# Altium PCB PCB_RFID-Project.PcbDoc
Units mm, origin at the board's own origin, x right, y up, seen from the top; angles counter-clockwise.
Board outline 142.75 x 90.04 mm, 2 copper layers (Top Layer, Bottom Layer); 10 components, 22 nets, 84 pads, 6 vias.
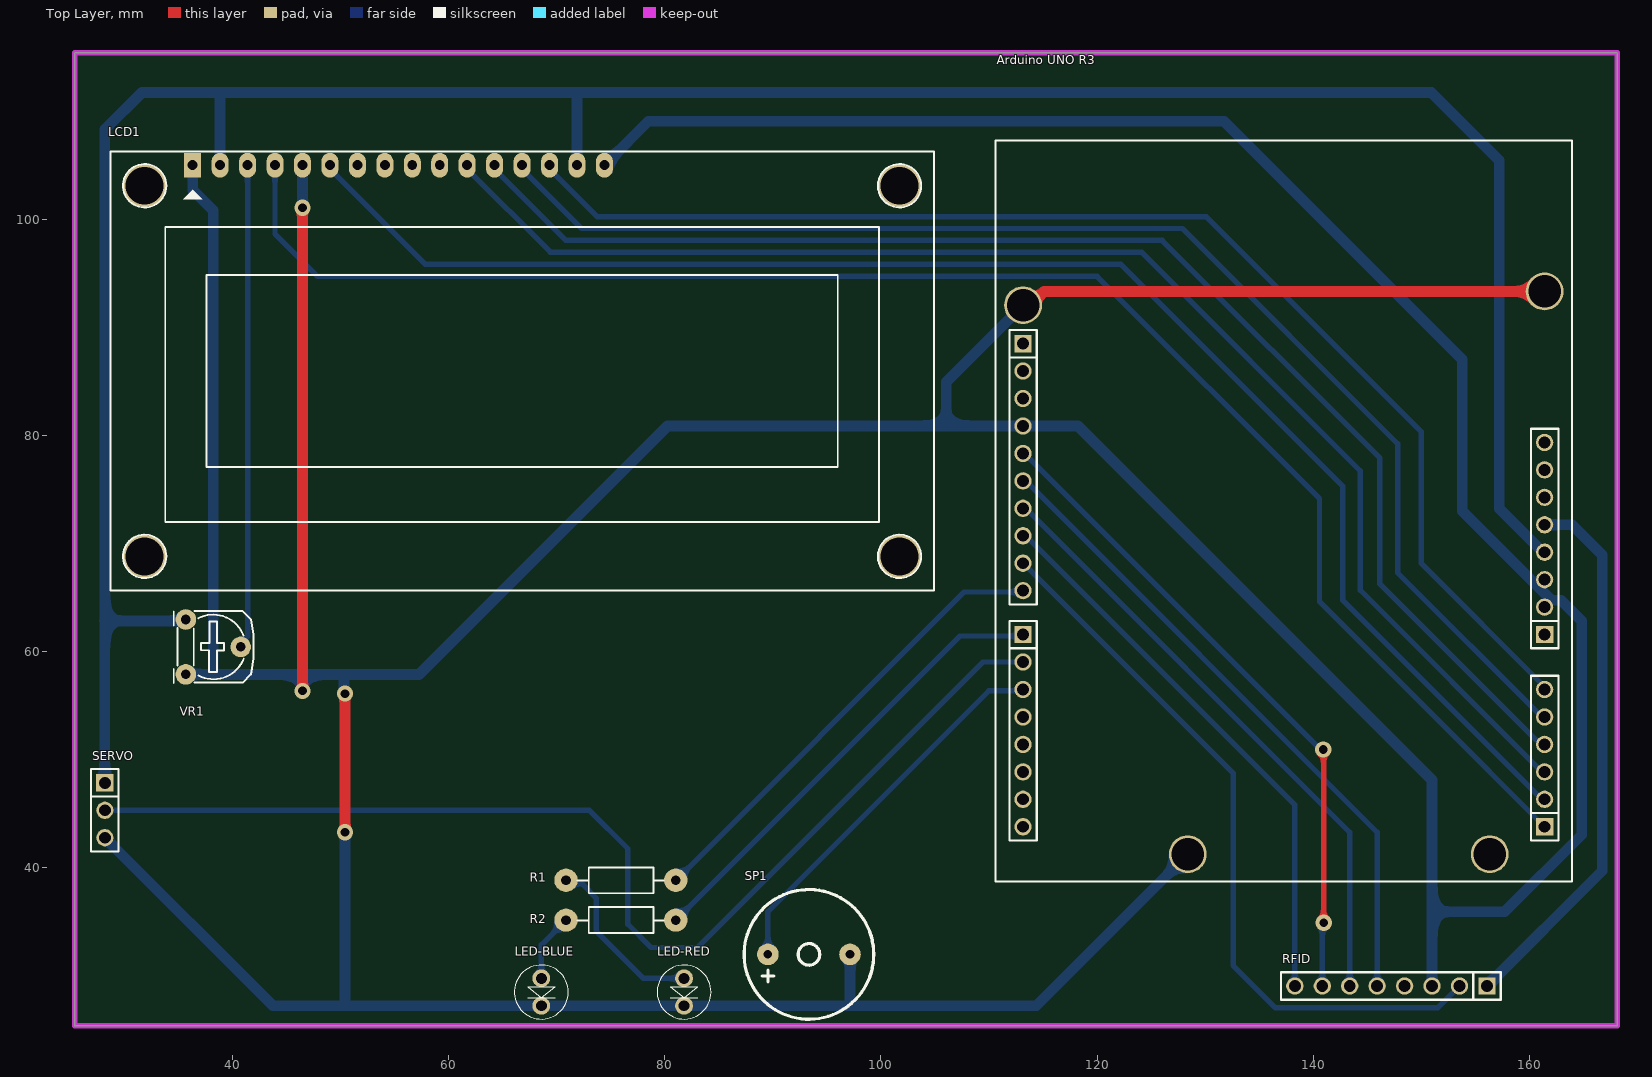
[diagram p0: Top Layer view]
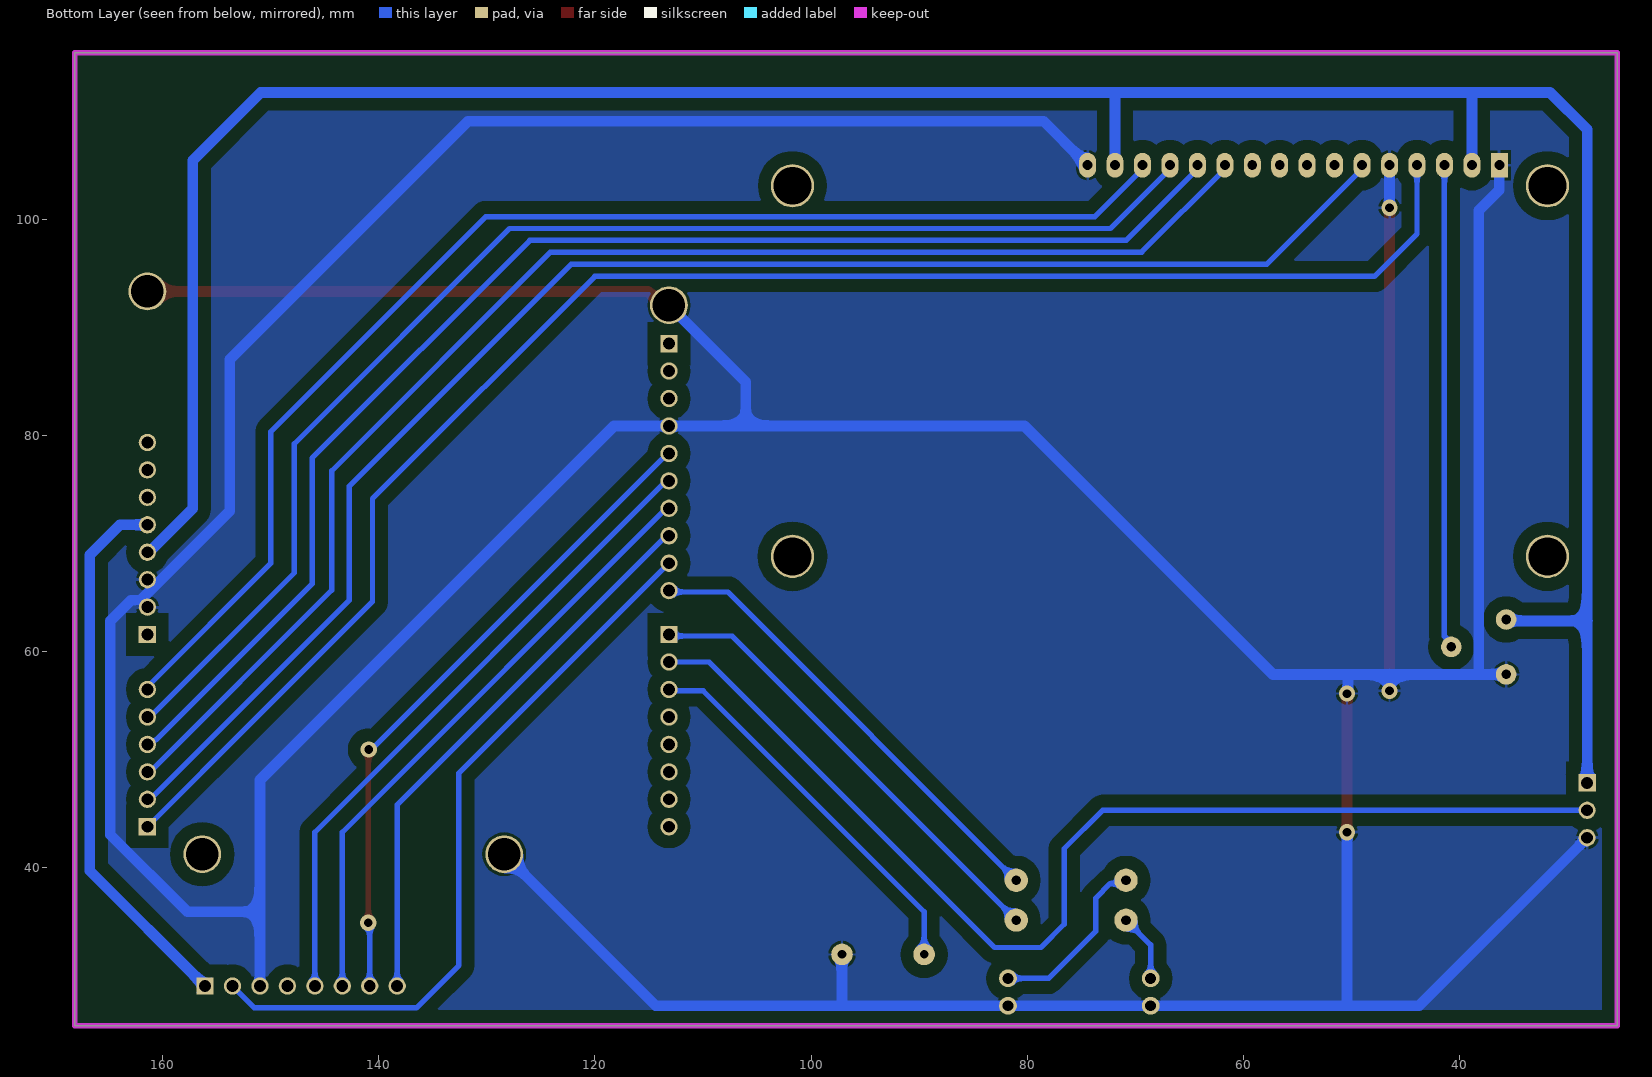
[diagram p1: Bottom Layer view, seen from below]

## Layer stack, top to bottom
Top Solder: solder mask 0.0102, Solder Resist, Dk 3.5
Top Layer: signal copper 0.0356
Dielectric 1: dielectric 0.32, FR-4, Dk 4.8
Bottom Layer: signal copper 0.0356
Bottom Solder: solder mask 0.0102, Solder Resist, Dk 3.5

## Board outline
25.4,25.4 168.148,25.4 168.148,115.443 25.4,115.443

## Design rules (kind name [scope] priority, off if disabled: settings)
Clearance [All] p1: gap=0.6 ignorepadtopadclearanceinfootprint=FALSE
PolygonConnect [All] p1: connectstyle=Relief reliefconductorwidth=0.254 reliefentries=4 polygonreliefangle="90 Angle" airgapwidth=0.254
RoutingVias [All] p1: holewidth=0.8 width=1.5 viastyle="Through Hole" minholewidth=0.711 minwidth=1.27 maxholewidth=0.8 maxwidth=1.5
SolderMaskExpansion [All] p1: expansion=0.102 istentingtop=FALSE
Width [All] p1: maxlimit=2 minlimit=0.4 preferedwidth=0.5
30 further rules are at their usual default settings.

## Components (designator, comment, footprint, x,y, rotation, side; value= is the part's Value field where it differs from the comment)
"Arduino UNO R3" "Arduino Uno R3" "Arduino UNO R3" 138.303,73.66 r90 top value="Cau 1A"
LCD1 "LCD 16x2A" LCD16X2 36.322,105.029 r0 top value=LCD16x2A
LED-BLUE "LED" LED-5MM-BLUE 68.58,29.791 r270 top value="LED 3 ly Single Colour"
LED-RED "LED" LED-5MM-RED 81.788,29.791 r270 top value="LED 3 ly Single Colour"
R1 "330R" RES-1/4W 76.327,38.735 r0 top
R2 "330R" RES-1/4W 76.327,35.052 r0 top
RFID "JP8" JP8-D1T 156.083,29.083 r180 top
SERVO "JP3" JP3-D1T 28.194,47.879 r270 top
SP1 "BUZZER" "Buzzer 5V 9x1.2mm" 93.345,32.004 r0 top
VR1 "10K" VR-S2 35.687,62.992 r270 top value="Volume 50k"

## Footprints (in the part's own frame and the unit in brackets; to place one, negate y for a bottom-side part, rotate by r counter-clockwise, add the part's x,y. Pads: shape width x height; smd on the part's side, far side on the other; paste and mask are expansions set on the pad)
"Arduino UNO R3" [mm]
  round 1.6 hole 1.1: 0-RX(-29.845,25.146) 1-TX(-27.305,25.146) 2(-24.765,25.146) 3V3(-1.905,-23.114) 4(-19.685,25.146) 5V(-4.445,-23.114) 8(-8.001,25.146) 12(2.159,25.146) 13(4.699,25.146) A0(-17.145,-23.114) A1(-19.685,-23.114) A2(-22.225,-23.114) A3(-24.765,-23.114) A4(-27.305,-23.114) AREF(9.779,25.146) GND(-9.525,-23.114) GND(-6.985,-23.114) GND(7.239,25.146) IOREF(3.175,-23.114) NC(5.715,-23.114) RESET(0.635,-23.114) SDA(12.319,25.146) ~3(-22.225,25.146) ~5(-17.145,25.146) ~6(-14.605,25.146) ~9(-5.461,25.146) ~10(-2.921,25.146) ~11(-0.381,25.146)
  rect 1.6x1.6 hole 1.1: 7(-12.065,25.146) A5(-29.845,-23.114) SCL(14.859,25.146) Vin(-12.065,-23.114)
  round 3.5 hole 3: GND(-32.385,9.906) GND(18.415,25.146) GND(19.685,-23.114) ""(-32.385,-18.034)
  oval 0x2 all layers, no hole: ""(-32.385,-18.034)
  round 0 all layers, no hole: ""(-32.385,9.906) ""(18.415,25.146) ""(19.685,-23.114)
  silkscreen extent -34.92,-25.65 33.66,27.69, body extent -34.93,-25.65 40,27.69, height 15.28
"Buzzer 5V 9x1.2mm" [mm] "Buzzer 5V 9x1.2mm"
  round 2 hole 0.8 mask+0.05: 1(-3.8,0) 2(3.8,0)
  silkscreen extent -6,-6 6,6, body extent -6,-6 6,6, height 8.5
JP3-D1T [mm] "3 pins, 1 row, straight, gold plating"
  rect 1.6x1.6 hole 1.1: 1(0,0)
  round 1.6 hole 1.1: 2(2.54,0) 3(5.08,0)
  silkscreen extent -1.27,-1.27 6.35,1.27, body extent -1.27,-1.27 6.35,1.27, height 8.54
JP8-D1T [mm] "8 pins, 1 row, straight, gold plating"
  rect 1.6x1.6 hole 1.1: 1(0,0)
  round 1.6 hole 1.1: 2(2.54,0) 3(5.08,0) 4(7.62,0) 5(10.16,0) 6(12.7,0) 7(15.24,0) 8(17.78,0)
  silkscreen extent -1.27,-1.27 19.05,1.27, body extent -1.27,-1.27 19.05,1.27, height 8.54
LCD16X2 [mil] "LCD dipslay 16x2, 16 pin"
  rect 62x90 hole 36: 1(0,0)
  oval 62x90 hole 36: 2(100,0) 3(200,0) 4(300,0) 5(400,0) 6(500,0) 7(600,0) 8(700,0) 9(800,0) 10(900,0) 11(1000,0) 12(1100,0) 13(1200,0) 14(1300,0) 15(1400,0) 16(1500,0)
  round 157.48 hole 137.8: "Hole 0"(-175,-1425) "Hole 0"(-175,-75) "Hole 0"(2575,-75) "Hole 0"(2575,-1425)
  silkscreen extent -300,-1550 2700,50, body extent -315,-1360 2855,77, height 414
LED-5MM-BLUE [mil]
  round 65 hole 40: 1(0,0) 2(100,0)
  silkscreen extent -48,-98 148,98, body extent -54,-105 155,105, height 370
LED-5MM-RED [mil]
  round 65 hole 40: 1(0,0) 2(100,0)
  silkscreen extent -48,-98 148,98, body extent -54,-105 155,105, height 370
RES-1/4W [mil]
  round 85 hole 35: 1(-215,5) 2(185,5)
  silkscreen extent -173,-42 141,52, body extent -227,-42 197,52, height 95
VR-S2 [mil] "Resistor Variable"
  round 75 hole 35: 1(0,0) 2(100,200) 3(200,0)
  silkscreen extent -31,-44 231,246, body extent -87,-30 307,372, height 165

## Part data
"Arduino UNO R3": "Arduino UNO R3"
LCD1: library part LCD16x2A, "LCD dipslay 16 char, 2 line"
LED-BLUE LED-RED: "LED Single colour Green and Red"
R1 R2: library part Res, "Res", Manufacturer="Generic Components", Class=Passive, Published=08/06/2000, Publisher="Altium Hobart Technology Centre", SubClass=R
RFID: "WR-PHD 2.54 mm Angled Socket Header", Manufacturer="W¨¹rth Elektronik eiSos GmbH", partNo=613008143121, ComponentLink1 Description=Manufacturer, ComponentLink1URL=http://www.we-online.com, ComponentLink2 Description=Datasheet, ComponentLink2URL=http://katalog.we-online.de/em/datasheet/6130xx143121.pdf, Created by="Karrer Zheng", Created Date="29 March 2013", NoPins=08
SERVO: "WR-PHD 2.54 mm Angled Socket Header", Manufacturer="W¨¹rth Elektronik eiSos GmbH", partNo=613003143121, ComponentLink1 Description=Manufacturer, ComponentLink1URL=http://www.we-online.com, ComponentLink2 Description=Datasheet, ComponentLink2URL=http://katalog.we-online.de/em/datasheet/6130xx143121.pdf, Created by="Karrer Zheng", Created Date="29 March 2013", NoPins=03
SP1: library part Speaker, "Buzzer through hole (3V3/5V/12V)"
VR1: library part VR-S, "Var Resistor"

## Via types
v1: diameter 1.5, hole 0.8, Top Layer to Bottom Layer, 6 vias

## Nets (pads, with @x,y where several pads share a name; then routed paths per layer and width w, separated by ;. In a path a pad name is that pad's centre, name@x,y a point inside that pad or via, vN(x,y) a via of type N, cw(c..) or ccw(c..) an arc to the next point about the centre after c; other vN are vias at no path point)
5V: "Arduino UNO R3.5V" LCD1.2 LCD1.15 SERVO.1 VR1.1 | length 252.7
  Bottom Layer w1: SERVO.1 28.194,62.865 ; VR1.1 35.56,62.865 28.194,62.865 ; LCD1.2 38.862,111.633 38.735,111.76 ; LCD1.15 71.882,111.506 71.628,111.76 ; 161.417,69.215 161.27,69.215 157.226,73.259 157.226,105.459 150.925,111.76 71.628,111.76 ; 28.194,62.865 28.194,108.331 31.623,111.76 38.735,111.76 ; 38.735,111.76 71.628,111.76
BUZZER: "Arduino UNO R3.~5" SP1.1 | length 36.1
  Bottom Layer w0.5: SP1.1 89.545,35.951 109.982,56.388 113.03,56.388 113.157,56.515
D4: "Arduino UNO R3.A3" LCD1.11 | length 129.6
  Bottom Layer w0.5: LCD1.11 61.722,104.673 69.421,96.974 124.133,96.974 144.358,76.749 144.358,65.7 161.163,48.895 161.417,48.895
D5: "Arduino UNO R3.A2" LCD1.12 | length 126.4
  Bottom Layer w0.5: LCD1.12 64.262,104.673 70.861,98.074 126.018,98.074 146.177,77.915 146.177,66.294 160.63,51.841 160.714,51.841 161.119,51.435 161.417,51.435
D6: "Arduino UNO R3.A1" LCD1.13 | length 123
  Bottom Layer w0.5: LCD1.13 66.802,104.673 72.301,99.174 127.902,99.174 147.828,79.248 147.828,67.31 161.163,53.975 161.417,53.975
D7: "Arduino UNO R3.A0" LCD1.14 | length 119.4
  Bottom Layer w0.5: LCD1.14 69.342,104.673 73.741,100.274 130.104,100.274 149.987,80.391 149.987,68.199 161.417,56.769
E: "Arduino UNO R3.A4" LCD1.6 | length 143.1
  Bottom Layer w0.5: LCD1.6 49.022,104.673 57.821,95.874 122.185,95.874 142.748,75.311 142.748,64.77 161.163,46.355 161.417,46.355
"NetArduino UNO R3_7": "Arduino UNO R3.7" R2.2 | length 43.1
  Bottom Layer w0.5: R2.2 107.315,61.468 113.03,61.468 113.157,61.595
"NetArduino UNO R3_8": "Arduino UNO R3.8" R1.2 | length 43.2
  Bottom Layer w0.5: R1.2 107.696,65.532 113.03,65.532 113.157,65.659
NetLCD1_3: LCD1.3 VR1.2 | length 44.8
  Bottom Layer w0.5: VR1.2 40.767,60.812 41.402,61.447 LCD1.3
NetLED-BLUE_1: LED-BLUE.1 R2.1 | length 6.3
  Bottom Layer w0.5: LED-BLUE.1 68.58,32.893 R2.1
NetLED-RED_1: LED-RED.1 R1.1 | length 16.5
  Bottom Layer w0.5: R1.1 71.183,38.545 72.326,38.545 73.66,37.211 73.66,34.163 78.032,29.791 LED-RED.1
RFID_GND: "Arduino UNO R3.GND" LCD1.1 LCD1.5 LCD1.16 LED-BLUE.2 LED-RED.2 RFID.3 SERVO.3 SP1.2 VR1.3 | length 621.8
  Top Layer w1: v1(46.482,56.388) v1(46.482,101.092) ; v1(50.419,43.307) v1(50.419,56.134) ; 114.257,92.075 114.257,92.499 115.103,93.345 161.417,93.345
  Bottom Layer w1: SERVO.3 43.742,27.251 50.165,27.251 ; VR1.3 38.227,57.912 ; LCD1.1 36.322,102.743 38.227,100.838 38.227,57.912 ; v1(46.482,56.388) 46.482,57.912 ; v1(46.482,101.092) LCD1.5 ; v1(50.419,43.307) 50.419,27.505 50.165,27.251 ; v1(50.419,56.134) 50.323,56.23 50.323,57.754 50.165,57.912 ; LCD1.16 74.422,105.229 74.688,105.495 74.888,105.495 78.486,109.093 131.748,109.093 153.797,87.044 153.797,73.025 162.052,64.77 162.941,64.77 164.846,62.865 164.846,43.073 157.714,35.941 151.003,35.941 ; SP1.2 97.155,31.994 97.155,27.251 ; 113.157,92.075 106.045,84.963 106.045,80.899 ; 128.397,41.275 114.373,27.251 97.155,27.251 ; RFID.3 151.003,35.941 ; 38.227,57.912 46.482,57.912 ; 46.482,57.912 50.165,57.912 ; 50.165,27.251 LED-BLUE.2 LED-RED.2 97.155,27.251 ; 50.165,57.912 57.277,57.912 80.264,80.899 106.045,80.899 ; 106.045,80.899 113.157,80.899 118.237,80.899 151.003,48.133 151.003,35.941
RFID_MISO: "Arduino UNO R3.12" RFID.5 | length 60.6
  Bottom Layer w0.5: 113.157,76.073 145.923,43.307 RFID.5
RFID_MOSI: "Arduino UNO R3.~11" RFID.6 | length 57
  Bottom Layer w0.5: 113.157,73.533 143.383,43.307 RFID.6
RFID_NC: RFID.4
RFID_RST: "Arduino UNO R3.~9" RFID.2 | length 68.7
  Bottom Layer w0.5: 113.157,68.199 132.588,48.768 132.588,30.988 136.525,27.051 151.511,27.051 RFID.2
RFID_SCK: "Arduino UNO R3.13" RFID.7 | length 61.1
  Top Layer w0.5: v1(140.938,50.959) 140.97,50.927 v1(140.97,34.925)
  Bottom Layer w0.5: 113.157,78.359 113.284,78.359 140.684,50.959 v1(140.938,50.959) ; RFID.7 140.843,34.798 v1(140.97,34.925)
RFID_SDA: "Arduino UNO R3.~10" RFID.8 | length 52.3
  Bottom Layer w0.5: 113.157,70.993 138.303,45.847 RFID.8
RFID_VCC: "Arduino UNO R3.3V3" RFID.1 | length 50.8
  Bottom Layer w1: RFID.1 166.751,39.751 166.751,68.961 163.957,71.755 161.417,71.755
RS: "Arduino UNO R3.A5" LCD1.4 | length 152.1
  Bottom Layer w0.5: LCD1.4 43.942,98.679 47.879,94.742 120.015,94.742 140.589,74.168 140.589,64.643 151.305,53.927 161.417,43.815
SERVO: "Arduino UNO R3.~6" SERVO.2 | length 105.3
  Bottom Layer w0.5: SERVO.2 73.025,45.339 76.581,41.783 76.581,34.798 78.74,32.639 83.019,32.639 109.435,59.055 113.157,59.055
pads on no net: "Arduino UNO R3.0-RX" "Arduino UNO R3.1-TX" "Arduino UNO R3.2" "Arduino UNO R3.4" "Arduino UNO R3." "Arduino UNO R3.AREF" "Arduino UNO R3.IOREF" "Arduino UNO R3.NC" "Arduino UNO R3.RESET" "Arduino UNO R3.SCL" "Arduino UNO R3.SDA" "Arduino UNO R3.Vin" "Arduino UNO R3.~3" "LCD1.Hole 0" LCD1.7 LCD1.8 LCD1.9 LCD1.10

## Polygon pours and split planes (outlines as drawn)
RFID_GND on Bottom Layer "RFID_GND_L02_P000" (solid, remove dead copper, pour order 0): 25.4,25.4 25.4,115.443 168.148,115.443 168.148,25.4

## Keep-outs
Keep-Out Layer:
  the board outline again, w0.5